# Altium PCB PCB.PcbDoc (part 2 of 3)
Units mil, origin at the board's own origin, x right, y up, seen from the top; angles counter-clockwise.
Board outline 3885.47 x 1391.81 mil, 4 copper layers (Top Layer, Mid Layer 1, Mid Layer 2, Bottom Layer), stack 39.339 mil thick; 184 components, 161 nets, 743 pads, 601 vias.
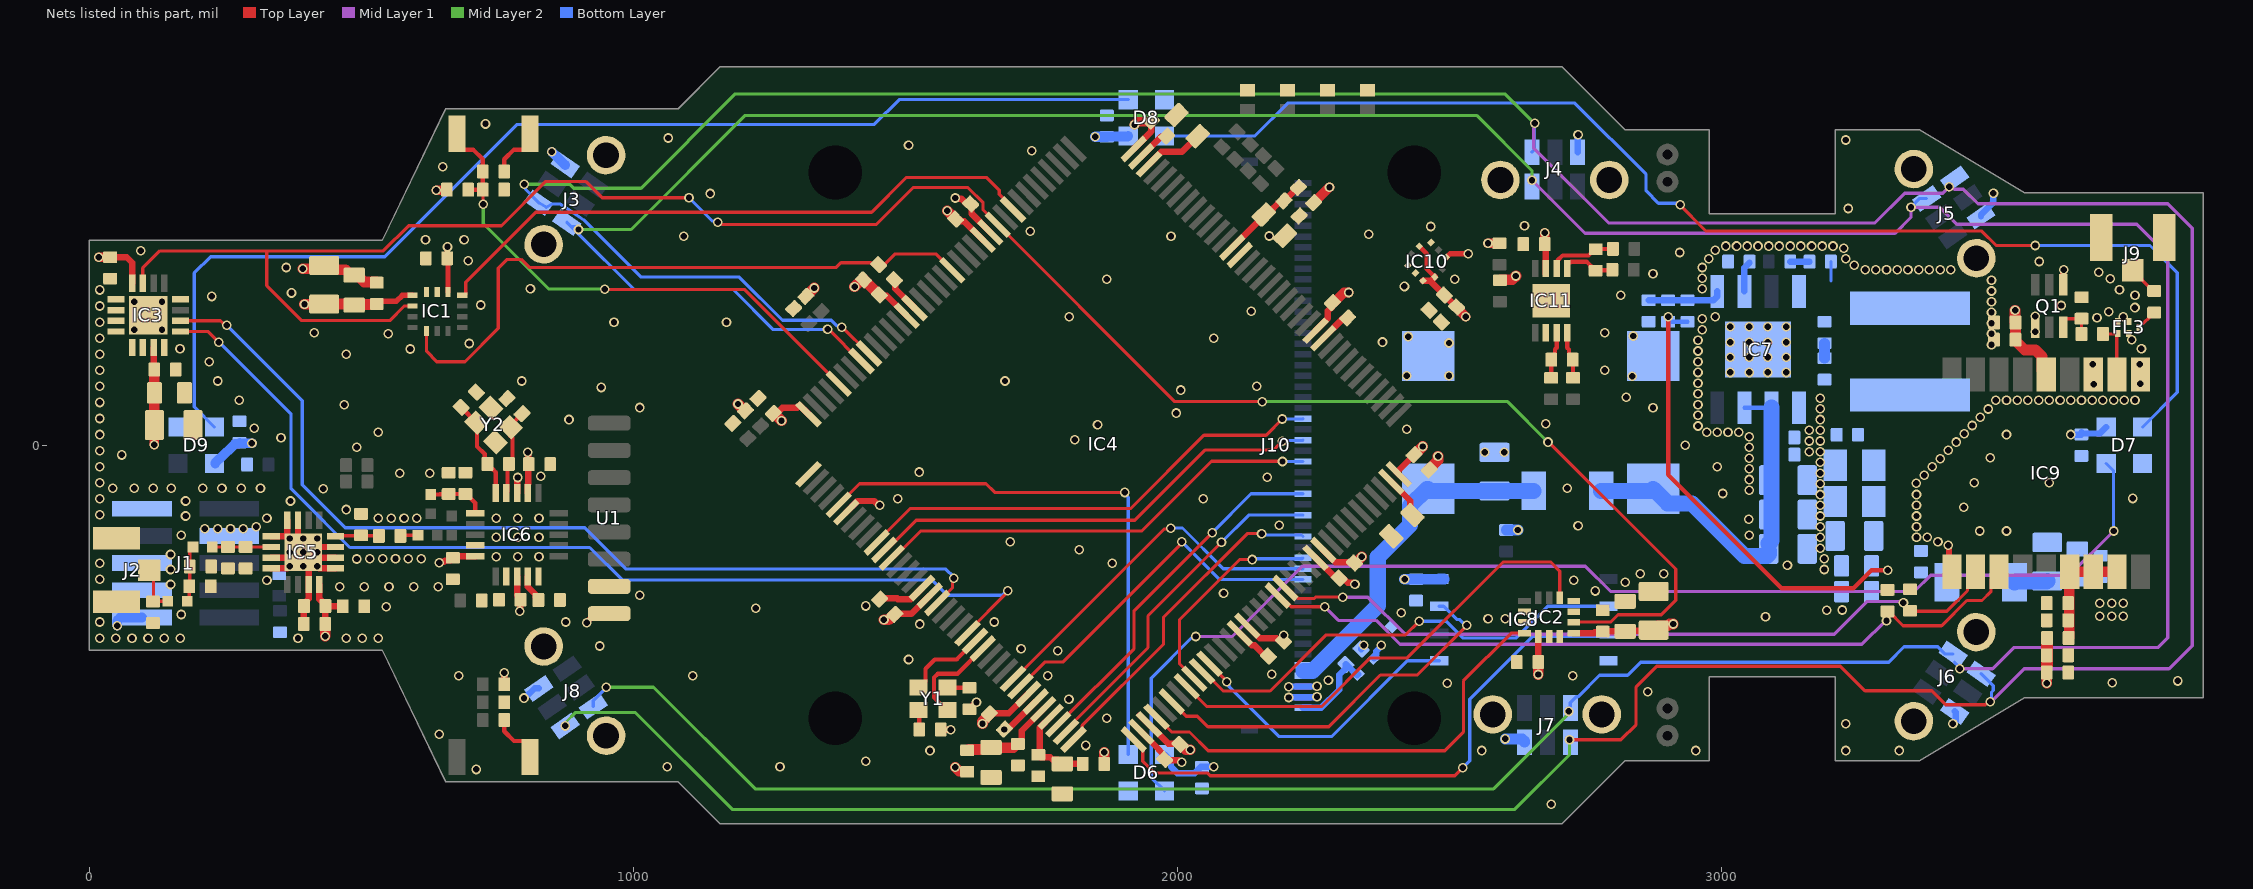
[diagram p4: the nets of this part, all layers, seen from the top]

## Via types
v1: diameter 17.72, hole 11.81, Top Layer to Bottom Layer, tented both sides, 601 vias

## Nets (pads, with @x,y where several pads share a name; then routed paths per layer and width w, separated by ;. In a path a pad name is that pad's centre, name@x,y a point inside that pad or via, vN(x,y) a via of type N, cw(c..) or ccw(c..) an arc to the next point about the centre after c; other vN are vias at no path point)
+3V3: C1.2 C2.2 C3.2 C5.2 C6.2 C7.2 C8.2 C9.2 C10.2 C11.2 C12.2 C13.2 C26.2 C27.2 C28.2 C29.2 C30.2 C31.2 C32.2 C33.2 C34.2 C35.2 C36.2 C38.2 C39.2 C40.2 C41.2 C42.2 C43.2 C71.2 C72.2 C73.2 C77.2 C82.2 C83.2 C86.2 C87.2 C88.2 C89.2 C90.2 C91.2 C92.2 C93.2 C96.2 D6.2 D7.2 D8.2 D9.2 FB1.1 FL2.2 IC1.5 IC1.8 IC2.5 IC2.8 IC3.8 IC3.15 IC4.6 IC4.17 IC4.30 IC4.39 IC4.52 IC4.62 IC4.72 IC4.84 IC4.108 IC4.121 IC4.131 IC4.144 IC5.16 IC6.7 IC6.15 IC6.18 IC8.8 IC9.14 IC10.1 IC10.6 IC10.10 IC11.3 J1.1 J3.1 J4.1 J5.1 J6.1 J7.1 J8.1 L8.2 Q1.4 R1.2 R2.2 R3.2 R6.2 R7.2 R8.1 R9.1 R18.2 R19.2 R20.2 R25.2 U1.1 | length 3873.7
  Top Layer w7.87: IC10.6@2444.38,365.8 2458.31,351.87 2458.31,324.03 IC10.1@2472.94,309.4
  Top Layer w10: C3.2@523.39,261.15 526.94,264.7 564.63,264.7 575.44,275.51 593.9,275.51 IC1.8@593.98,275.59 ; C5.2@658.18,343.61 658.36,343.79 658.36,364.31 v1(658.54,364.48) ; IC1.5@659.45,281.97 659.5,282.02 659.5,334.39 C5.2@659.56,334.44
  Top Layer w11.81: C13.2@38.59,345.58 69.1,345.58 79.03,335.65 IC3.8@79.03,297.67 ; C12.2@118.4,139.06 IC3.15@118.4,179.56 ; IC5.16@423.23,-255.91 423.23,-282.57 434.17,-293.51 434.03,-293.64 434.03,-328.11 C38.2@433.9,-328.24 ; v1(433.79,-350.68) v1@433.85,-350.62 ; C40.2@434.17,-295.48 434.02,-295.62 C39.2@466.02,-295.62 ; v1(643.62,-215.56) 644.75,-214.43 651.56,-214.43 654.19,-211.8 663.42,-211.8 C41.2@668.34,-206.88 ; C41.2@671.48,-203.74 IC6.15@709.65,-203.74 ; v1(762.67,-418) 762.79,-418.12 762.79,-439.06 R6.2@762.91,-439.18 ; IC6.18@786.42,-241.14 786.42,-275.56 C42.2@792.73,-281.87 ; v1(791.47,-304.89) 792.1,-304.26 792.1,-284.46 C42.2@792.73,-283.84 ; v1(805.8,-12.93) 806.85,-13.97 806.85,-33.71 C43.2@807.89,-34.76 807.08,-35.56 807.08,-71.15 806.1,-72.13 IC6.7@806.1,-87.6 ; v1(914.53,-326.37) 914.53,-325.03 930.12,-309.45 U1.1@955.71,-309.45 ; C36.2@1257.24,58.53 1263.36,58.53 1274.06,69.23 1301.1,69.23 1305.54,73.67 IC4.144@1321.89,57.31 ; IC4.6@1391.49,-122.97 1412.12,-102.34 1442.88,-102.34 1449.65,-109.11 1451.63,-109.11 v1(1452.76,-110.24) ; C35.2@1453.46,275.06 1466.05,275.06 IC4.131@1502.85,238.26 ; C26.2@1482.05,-309.35 1511.34,-309.35 IC4.17@1544.6,-276.09 ; C34.2@1592.26,415.55 1593.65,414.16 1600.61,414.16 1603.14,411.63 1607.87,411.63 IC4.121@1642.04,377.46 ; C27.2@1655.64,-492.32 1690.28,-492.32 IC4.30@1725.56,-457.04 ; IC4.108@1919.76,544.49 1952.07,576.8 1952.07,586.58 1951,587.65 1952.39,589.04 C33.2@1952.39,596 ; IC4.39@1930.93,-496.05 1983.05,-548.17 2003.03,-548.17 C28.2@2004.43,-549.56 ; IC4.52@2128.55,-331.76 2151.15,-354.36 2182.67,-354.36 2187.98,-359.67 C29.2@2194.94,-359.67 2194.17,-358.9 2194.17,-350.16 v1(2195.12,-349.21) ; IC4.84@2253.83,210.43 2276.58,233.18 2276.58,246.98 2284.81,255.21 C32.2@2284.81,262.17 ; IC4.62@2267.75,-192.57 2290.19,-215.01 2323.78,-215.01 C30.2@2325.17,-216.4 ; IC4.72@2406.94,-53.38 2402.94,-49.38 C31.2@2434.96,-17.36 ; IC10.10@2451.37,302.47 2466.01,302.47 ; IC10.1@2472.94,309.4 2466.44,302.89 2466.44,300.05 C89.2@2490.72,275.77 ; C89.2@2490.56,275.77 C89.2@2490.72,275.77 ; C89.2@2495.44,277.66 2493.55,275.77 C89.2@2490.72,275.77 ; C88.2@2515.03,251.47 C89.2@2490.72,275.77 ; C9.2@2663.35,-398.99 IC2.5@2663.35,-351.13 ; C96.2@2675.03,369.65 2677.17,367.51 IC11.3@2677.17,324.8 IC11.3@2677.17,315 ; IC2.8@2728.32,-345.23 2765.72,-345.23 2767.12,-343.83 2780.26,-343.83 C6.2@2781.94,-342.15 ; C6.2@2781.6,-342.49 C6.2@2781.94,-342.15 ; C8.2@2875.28,-339.7 2874.23,-340.75 2823.74,-340.75 2822.34,-342.15 C6.2@2781.94,-342.15 ; Q1.4@3627.95,295.28 3628.25,295.57 3628.25,322.6 v1(3628.54,322.89)
  Top Layer w17.72: v1(17.6,345.85) C13.2@38.32,345.85 ; v1(119.88,1.14) C10.2@119.88,36.69 ; v1(637.88,468.82) 637.94,468.88 R7.2@655.3,468.88 ; v1(1921.13,589.19) 1926.56,594.61 1950.47,594.61 C33.2@1952.13,596.27 ; R8.1@2250.59,445.93 2279.13,474.48 v1(2279.53,474.48) ; C32.2@2285.18,262.17 2287.59,262.17 2306.16,280.73 v1(2314.78,280.73) ; C88.2@2515.03,251.09 v1(2529.68,236.44) ; v1(2570.75,371.44) R19.2@2591.47,371.44 ; C96.2@2675.03,369.65 2675.29,369.91 v1(2675.29,390.64)
  Top Layer w19.68: C12.2@119.68,139.06 119.81,138.92 119.81,36.76 C10.2@119.88,36.69 ; v1(395.71,259.22) 411.57,259.22 C1.2@413.42,257.37 ; C1.2@431.95,259.57 487.06,259.57 C2.2@487.06,257.6 ; v1@433.85,-350.62 C38.2@433.9,-328.24 ; C2.2@488.05,258.58 527.58,258.58 C3.2@528.57,259.56 ; v1(1192.43,75.8) 1204.89,63.34 R3.2@1206.12,63.34 ; C36.2@1257.24,58.53 1257.5,58.79 1258.89,58.79 v1(1272.36,45.32) ; R2.2@1317.31,273.54 1317.31,273.7 v1(1332.6,289) ; v1(1406.66,291.36) 1420.54,305.25 1421.94,305.25 R1.2@1423.14,304.04 1423.81,304.04 1451.4,276.45 C35.2@1452.07,276.45 ; v1(1460.66,-320.9) 1469.12,-320.9 1478.26,-311.76 C26.2@1480.66,-311.76 ; v1(1576.82,430.8) 1592.07,415.55 C34.2@1592.26,415.55 ; v1(1591.87,-591.79) 1599.14,-599.06 1612.68,-599.06 R9.1@1613.67,-600.05 ; v1(1641.73,-511.81) 1641.73,-507.62 1654.25,-495.1 C27.2@1654.25,-493.71 ; FB1.1@1865.39,-585.52 1865.43,-585.48 v1(1865.43,-563.92) ; C28.2@2004.43,-549.56 2005.82,-549.56 2015.89,-559.63 v1(2023.76,-559.63) ; C30.2@2325.17,-216.4 2325.34,-216.57 2326.74,-216.57 v1(2338.58,-204.72) ; C31.2@2434.96,-17.36 2435.78,-17.36 v1(2450.89,-2.25) ; R20.2@2592.72,303.26 2593.71,304.24 2615.27,304.24 v1(2622.05,311.02) ; C9.2@2663.09,-398.43 2663.09,-401.3 2663.17,-401.38 v1(2663.17,-421.29) ; C8.2@2875.28,-339.7 2883.15,-331.82 2901.09,-331.82 2904.53,-328.39 v1(2911.33,-328.39) ; v1(3539.37,248.03) 3539.37,226.4 C86.2@3540.19,225.59 C87.2@3540.19,194.09 ; IC9.14@3596.61,129.92 3588.73,137.8 3588.73,163.28 3576.75,175.26 3557.05,175.26 C87.2@3540.19,192.12 ; C82.2@3597.68,-417.45 3597.78,-417.55 v1(3597.78,-437.55) ; L8.2@3598,-354.45 L8.2@3598.31,-354.13 ; C87.2@3540.19,192.12 C87.2@3540.19,194.09 ; C87.2@3540.19,192.12 C87.2@3540.19,194.09
  Top Layer w22.44: 3598,-404.53 L8.2@3598,-354.45
  Bottom Layer w11.81: v1(799.21,-464.57) 800.81,-464.57 818.64,-446.74 J8.1@826.63,-446.74 ; D6.2@1976.38,-568.3 1988.19,-580.11 1988.19,-590.88 1999.72,-602.41 2031.62,-602.41 2042.88,-591.15 C92.2@2044.84,-591.15 2045.14,-590.85 2066.63,-590.85 v1(2066.93,-590.55) ; R25.2@2337.52,-374.78 2337.52,-373.77 2342.52,-368.76 v1(2342.52,-367.75) ; J4.1@2735.6,538.75 2735.91,539.06 2735.91,570.56 v1(2736.22,570.87) ; v1(3425.2,-511.81) 3430.02,-506.98 3430.02,-490.34 J6.1@3428.65,-488.97 ; J5.1@3476.79,420.75 3476.79,423.75 3499.64,446.6 v1(3499.64,463.14) ; v1(3641.73,19.68) 3661.11,19.68 C91.2@3661.22,19.8 ; C91.2@3661.42,23.62 3663.39,21.65 3694.88,21.65 D7.2@3706.69,33.46
  Bottom Layer w17.72: v1(51.52,-331.42) 51.52,-322.24 57.23,-316.54 J1.1@97.05,-316.54 ; D9.2@231.5,-33.46 231.5,-32.28 239.17,-24.61 240.35,-24.61 267.72,2.76 274.5,2.76 C90.2@276.47,4.73 277.26,3.94 v1(299.21,3.94) ; v1(850.39,539.37) 874.77,514.99 J3.1@874.77,514.89 ; C93.2@1870.28,566.82 1871.02,567.56 1908.7,567.56 D8.2@1909.45,568.31
  Bottom Layer w19.68: v1(1849.29,567.08) C93.2@1870.02,567.08 ; v1(2417.37,-246.09) C77.2@2438.73,-246.09 2438.84,-245.98 2481.19,-245.98 IC8.8@2481.3,-245.87 2489.96,-245.87 IC8.8@2490.16,-246.06 ; v1(2602.25,-539.71) 2633.72,-539.71 2637.66,-543.65 J7.1@2637.66,-545.79 ; R18.2@2604.15,-155.66 v1(2625.8,-155.65)
  Bottom Layer w29.53: FL2.2@3538.39,-251.97 3539.73,-250.63 3597.17,-250.63 C71.2@3598.51,-249.28
  other v1: 3695.29,-313.98 3716.74,-313.98 3738.19,-313.98 3695.29,-290.35 3716.74,-290.35 3738.19,-290.35
BUTTON: C16.2 D5.1 IC4.140 R7.1 S2.2 | length 997.5
  Top Layer w5.91: C16.2@723.31,469.69 723.86,469.14 723.86,443.46 v1(724.41,442.91) ; v1(947.83,286.42) 1204.14,286.42 IC4.140@1377.57,112.99
  Top Layer w7.87: S2.2@676.18,572.83 676.18,555.12 687.99,543.31 705.71,543.31 723.52,525.5 D5.1@723.52,502.95 723.42,502.85 723.42,469.79 C16.2@723.31,469.69 R7.1@696.76,469.69
  Mid Layer 2 w5.91: v1(724.41,442.91) 724.41,407.62 845.08,286.95 947.3,286.95 v1(947.83,286.42)
GND: C1.1 C2.1 C3.1 C5.1 C6.1 C7.1 C8.1 C9.1 C10.1 C11.1 C12.1 C13.1 C14.1 C15.1 C16.1 C17.1 C18.1 C19.1 C20.1 C21.1 C22.1 C23.1 C24.1 C25.1 C26.1 C27.1 C28.1 C29.1 C30.1 C31.1 C32.1 C33.1 C34.1 C35.1 C36.1 C37.1 C38.1 C39.1 C40.1 C41.1 C42.1 C43.1 C45.1 C46.1 C47.1 C48.1 C49.1 C50.1 C51.1 C52.1 C53.1 C54.1 C56.2 C57.2 C58.2 C59.2 C60.1 C61.1 C62.1 C63.1 C64.1 C65.1 C66.1 C67.1 C68.1 C69.1 C70.1 C71.1 C72.1 C73.1 C74.2 C75.1 C77.1 C79.1 C80.1 C81.1 C82.1 C83.1 C84.1 C85.1 C86.1 C87.1 C88.1 C89.1 C90.1 C91.1 C92.1 C93.1 C96.1 D1.2 D2.2 D3.2 D4.2 D5.2 D6.4 D7.4 D8.4 D9.4 D10.2 D11.2 FL3.2 FL3.3 FL3.5 IC1.6 IC1.7 IC2.2 IC2.3 IC2.6 IC2.7 IC2.10 IC2.11 IC3.4 IC3.9 IC3.10 IC3.11 IC3.12 IC3.13 IC3.14 IC3.16 IC3.17 IC4.16 IC4.31 IC4.38 IC4.51 IC4.61 IC4.83 IC4.94 IC4.107 IC4.120 IC4.130 IC5.1 IC5.2 IC5.3 IC5.7 IC5.8 IC5.9 IC5.11 IC5.12 IC5.15 IC5.17 IC6.8 IC6.14 IC6.17 IC6.20 IC7.1 IC7.9 IC8.4 IC9.1 IC9.10 IC9.12 IC10.3 IC10.5 IC10.8 IC10.9 IC11.6 IC11.9 J1.3 J1.5 J1.8 J1.9 J2.2 J2.3 J3.7 J4.7 J5.7 J6.7 J7.7 J8.7 J9.2 J9.3 J10.48 J10.49 LED1.2 LED2.2 LED3.2 LED4.2 Q1.1 R4.1 R5.1 R10.1 R17.1 S1.1 S2.1 U1.2 Y2.2 Y2.4 | length 1921.8
  Top Layer w7.87: D4.2@762.91,-502.95 762.91,-525.5 780.72,-543.31 798.43,-543.31 810.24,-555.12 S1.1@810.24,-572.83 ; D5.2@762.91,502.95 762.91,525.5 780.72,543.31 798.43,543.31 810.24,555.12 S2.1@810.24,572.83
  Top Layer w9.84: IC10.3@2493.79,344.89 2500.88,351.98 v1(2534.36,351.98)
  Top Layer w11.81: IC5.12@334.65,-226.38 IC5.17@364.17,-226.38 ; IC5.11@334.65,-206.69 IC5.17@383.86,-206.69 ; IC5.9@334.65,-167.32 364.17,-167.32 IC5.8@364.17,-137.8 ; IC5.17@383.86,-187.01 IC5.7@383.86,-137.8 ; C40.1@394.29,-293.25 394.78,-293.74 C40.1@394.78,-295.47 ; C38.1@394.52,-328.24 394.65,-328.11 394.65,-293.64 399.7,-288.58 399.7,-285.51 403.54,-281.66 IC5.15@403.54,-255.91 IC5.17@403.54,-206.69 ; IC5.17@395.44,-195.11 IC5.17@403.54,-187.01 ; IC5.17@404.64,-205.6 406.4,-205.6 IC5.17@418.94,-218.13 ; IC5.17@406,-204.23 398.62,-196.85 IC5.17@393.7,-196.85 ; IC5.17@408.46,-187.01 IC5.17@403.54,-187.01 ; IC5.17@408.61,-192.77 IC5.17@418.94,-192.77 ; IC5.17@418.94,-187.01 IC5.3@452.76,-187.01 ; IC5.17@419.42,-217.65 419.42,-222.57 423.23,-226.38 IC5.1@452.76,-226.38 ; IC5.2@452.76,-206.69 IC5.17@403.54,-206.69 ; IC6.8@786.42,-87.6 786.42,-60.13 v1(787.4,-59.15) ; C26.1@1452.81,-282.89 1454.21,-281.5 1484.79,-281.5 1486.08,-282.8 1510.06,-282.8 IC4.16@1530.69,-262.17 ; C35.1@1479.92,304.3 1481.31,302.9 1481.31,287.64 IC4.130@1516.77,252.18 ; C15.1@1564.98,-522.45 1565.05,-522.52 v1(1583.21,-522.59) v1(1583.21,-522.59) ; v1(1591.81,454.44) 1592.94,453.31 1603.24,453.31 1613.16,443.4 C34.1@1620.12,443.4 1621.51,442.01 1621.51,425.83 IC4.120@1655.96,391.38 ; C17.1@1617.73,-485.1 C17.1@1617.82,-485.1 1630.61,-472.3 v1(1630.71,-472.3) ; v1(1681.99,-522.35) 1682.1,-522.35 C27.1@1682.1,-521.56 1688.87,-521.56 IC4.31@1739.48,-470.96 ; IC4.38@1933.68,-526.64 1966.74,-559.69 1966.74,-560.61 1976.57,-570.44 C28.1@1976.57,-577.4 1977.96,-578.8 2002.35,-578.8 2006.28,-582.72 v1(2007.87,-582.72) ; IC4.107@1933.68,530.57 1969.87,566.76 1978.85,566.76 C33.1@1980.24,568.15 ; IC4.51@2114.63,-345.68 2136.69,-367.74 2141.76,-367.74 2161.54,-387.52 C29.1@2167.09,-387.52 ; IC4.61@2253.83,-206.49 2291.59,-244.25 C30.1@2297.32,-244.25 ; IC4.83@2267.75,196.51 2304.17,232.93 2311.27,232.93 C32.1@2312.66,234.32 ; C30.1@2300,-245.64 2305.67,-245.64 2312.76,-252.73 2322.22,-252.73 2324.62,-255.12 v1(2326.22,-255.12) ; v1(3416.72,-183.47) 3416.72,-185.07 3417.99,-186.35 3417.99,-226.9 IC9.1@3423.38,-232.28 ; IC5.17@393.7,-196.85 IC5.17@403.54,-206.69 ; IC5.17@393.7,-196.85 IC5.17@403.54,-187.01
  Top Layer w19.68: v1@392.79,324.62 426.13,324.62 C1.1@431.95,330.43 439.82,322.56 471.32,322.56 478.21,315.67 490.02,315.67 505.75,299.94 527.59,299.94 C3.1@528.57,298.95 ; C31.1@2462.81,-45.21 2462.81,-43.82 2478.97,-27.66 v1(2478.97,-19.95)
  Bottom Layer w11.81: v1(2204.72,-463.58) 2205.36,-462.94 J10.49@2230.6,-462.94 2255.83,-462.94 v1(2256.47,-462.31) ; v1(2204.72,-443.9) 2205.36,-443.26 J10.48@2230.6,-443.26 2255.83,-443.26 v1(2256.47,-442.62) ; D11.2@2361.26,-391.42 2361.26,-388.08 2365.17,-384.18 2365.17,-378.81 2374.63,-369.35 v1(2374.63,-367.75)
  other v1: 2687.01,-659.45 711.63,-595.75 1062.47,-590.71 1269.68,-590.55 1427.17,-580.71 1545.28,-561.02 2559.06,-561.02 2952.76,-561.02 3228.35,-561.02 3326.77,-561.02 1831.67,-551.62 643.12,-531.36 3228.35,-511.81 1870.08,-501.97 1800.61,-466.82 2864.17,-452.76 2496.06,-437.01 3717.71,-436.25 3838.58,-433.07 2277.56,-432.09 1109.19,-423.56 679.13,-423.23 1761.81,-423.23 2726.38,-423.23 2173.03,-420.95 1505.91,-393.7 1779.99,-377.62 1712.6,-374.02 938.55,-368.94 19.68,-354.33 49.21,-354.33 78.74,-354.33 108.27,-354.33 137.8,-354.33 167.32,-354.33 383.86,-354.33 472.44,-354.33 501.97,-354.33 531.5,-354.33 1526.54,-328.52 19.68,-324.8 875.98,-324.8 1663.39,-324.8 2570.87,-318.9 2602.36,-318.9 3080.71,-314.96 169.29,-311.02 2411.34,-307.84 3193.18,-303.41 3221.76,-302.68 1224.89,-299.42 546.18,-296.9 1427.17,-295.28 1011.81,-275.59 2084.79,-272.26 2767.72,-267.72 460.63,-259.84 505.86,-259.84 551.08,-259.84 596.31,-259.84 641.54,-259.84 149.61,-255.91 2822.83,-251.97 326.77,-248.03 2728.35,-248.03 19.68,-246.06 2850.39,-236.22 2893.7,-236.22 149.61,-228.35 3188.98,-228.35 368.33,-222.11 393.63,-222.11 418.94,-222.11 3121.06,-220.47 19.68,-216.54 1879.92,-216.54 492.08,-209.01 515.75,-208.66 539.37,-208.66 562.99,-208.66 586.61,-208.66 610.24,-208.66 3188.98,-208.66 748.03,-204.72 787.4,-204.72 826.77,-204.72 149.61,-200.79 368.33,-196.74 393.63,-196.74 418.94,-196.74 1819.65,-192.13 3181.1,-188.98 1692.91,-177.17 3397.64,-177.17 368.33,-171.37 393.63,-171.37 418.94,-171.37 748.03,-169.29 787.4,-169.29 826.77,-169.29 3181.1,-169.29 3358.27,-169.29 3377.95,-169.29 169.29,-165.35 3051.18,-165.35 3474.41,-157.48 3523.62,-157.48 212.6,-153.54 236.22,-153.54 259.84,-153.54 283.46,-153.54 307.09,-149.61 3181.1,-149.61 3358.27,-149.61 2736.22,-147.64 2187.44,-146.86 3050.2,-135.83 326.77,-133.86 531.5,-133.86 555.12,-133.86 578.74,-133.86 602.36,-133.86 748.03,-133.86 787.4,-133.86 826.77,-133.86 177.17,-129.92 3181.1,-129.92 3358.27,-129.92 19.68,-127.95 472.44,-118.11 3444.88,-114.17 3181.1,-110.24 3358.27,-110.24 177.17,-102.36 370.08,-102.36 19.68,-98.43 1486.22,-98.43 2047.24,-98.43 3755.82,-97.71 3181.1,-90.55 3358.27,-90.55 3001.97,-88.58 3051.18,-82.68 430.2,-79.71 43.31,-78.74 82.68,-78.74 118.11,-78.74 150.59,-79.18 208.66,-78.74 244.09,-78.74 279.53,-78.74 314.96,-78.74 2716.54,-78.74 3181.1,-70.87 3357.89,-70.01 19.68,-68.9 3464.57,-68.9 3602.36,-68.9 3051.18,-62.99 2165.35,-59.06 830.08,-57.09 3372.55,-54.82 570.87,-51.18 625.98,-51.18 3181.1,-51.18 1525.59,-49.21 3051.18,-43.31 19.68,-39.37 2992.13,-39.37 3387.21,-39.63 3181.1,-31.5 3401.87,-24.44 3051.18,-23.62 3493.99,-22.99 60.22,-17.76 2564.96,-12.8 2600.39,-12.8 3161.42,-11.81 3181.1,-11.81 19.68,-9.84 3416.53,-9.25 492.13,-3.94 3051.18,-3.94 2933.07,0 3431.19,5.94 3161.42,7.87 3181.1,7.87 1811.02,9.84 352.63,13.64 3051.18,15.75 19.68,19.68 3523.62,19.68 3445.86,21.13 531.5,23.62 2972.44,23.62 2992.13,23.62 3011.81,23.62 3031.5,23.62 3161.42,27.56 3181.1,27.56 2421.26,29.53 303.15,31.5 2956.69,35.43 3460.52,36.32 1853.21,37.56 2677.17,39.37 881.89,47.24 3181.1,47.24 19.68,49.21 3475.18,51.51 2956.69,55.12 1998.09,59.25 3489.84,66.7 3181.1,66.93 1011.81,69.3 2874.02,68.9 468.5,74.8 2956.69,74.8 19.68,78.74 275.59,82.68 3503.94,82.68 3523.62,82.68 3543.31,82.68 3562.99,82.68 3582.68,82.68 3602.36,82.68 3622.05,82.68 3641.73,82.68 3661.42,82.68 3681.1,82.68 3700.79,82.68 3720.47,82.68 3740.16,82.68 3759.84,82.68 3181.1,86.61 2824.8,88.58 2956.69,94.49 2006.01,101.51 940.94,106.3 19.68,108.27 2145.67,108.27 3684.06,112.2 3769.69,113.19 2956.69,114.17 236.22,118.11 795.28,118.11 1683.07,118.11 2835.63,126.97 2421.26,127.95 2499.02,127.95 2956.69,133.86 3015.75,133.86 3051.18,133.86 3085.14,133.86 3119.09,133.86 19.68,137.8 2785.43,137.8 3682.09,148.62 3768.7,148.62 220.47,153.54 2956.69,153.54 3015.75,161.75 3051.18,161.75 3085.14,161.75 3119.09,161.75 19.68,167.32 472.44,167.32 2956.69,173.23 166.98,177.19 589.85,176.95 3771.65,177.17 3496.06,185.04 698.82,187.01 2499.14,188 2376.83,189.73 3015.75,189.63 3051.18,189.63 3085.14,189.63 3119.09,189.63 2956.69,192.91 3754.04,194.14 19.68,196.85 2066.93,196.85 2424.21,199.8 2837.6,200.79 3496.06,204.72 549.4,205.26 413.39,206.69 2785.43,206.69 3576.45,208.9 82.68,212.6 133.86,212.6 2964.57,212.6 3015.75,217.52 3051.18,217.52 3085.14,217.52 3119.09,217.52 3496.06,224.41 19.68,226.38 964.57,226.38 1171.26,226.38 2964.57,232.28 3689.96,234.25 1801.18,236.22 2988.19,236.22 3738.26,236.5 3576.22,237.1 3496.06,244.09 3711.61,245.08 2135.83,246.06 3759.67,253.09 19.68,255.91 719.68,257.74 3624.43,256.86 82.68,263.78 133.86,263.78 3496.06,263.78 225.08,273.54 2814.96,275.59 3759.84,275.59 371.88,279.92 3496.06,283.46 19.68,285.43 3731.25,286.15 811.02,287.4 2964.57,287.4 2417.21,291.87 3496.06,303.15 1870.08,305.12 2509.84,305.12 3714.38,306 2964.57,307.09 2874.02,314.96 3692.94,317.71 3263.78,322.83 3283.46,322.83 3303.15,322.83 3322.83,322.83 3342.52,322.83 3362.2,322.83 3381.89,322.83 3401.57,322.83 3421.26,322.83 392.62,324.45 362.2,326.77 2964.57,326.77 3244.09,330.71 3583.54,337.74 696.79,339.1 2976.38,342.52 3228.35,342.52 2923.23,354.33 94.62,357.75 2988.19,358.27 3224.41,362.2 3007.87,366.14 3027.56,366.14 3047.24,366.14 3066.93,366.14 3086.61,366.14 3106.3,366.14 3125.98,366.14 3145.67,366.14 3165.35,366.14 3185.04,366.14 3204.72,366.14 618.11,377.95 688.98,377.95 1092.52,383.86 1988.19,383.86 2168.6,384.65 2351.75,387.5 1729.74,393.65 2465.62,402.1 2637.8,403.54 3233.08,435.09 1141.73,462.6 649.61,511.81 1732.28,541.34 1505.91,551.18 3228.35,561.02 1064.47,564.65 728.35,590.55
I2C1_SCL: IC4.136 J3.3 J4.3 J5.3 J6.3 J7.3 J8.3 | length 8298.7
  Top Layer w5.91: v1(1383.4,217.2) 1384.06,217.2 1432.59,168.67 IC4.136@1433.25,168.67 ; v1(2720.47,-541.34) 2814.75,-541.34 2842.86,-513.23 2842.86,-444.11 2880.96,-406 3218.48,-406 3263.47,-451 3386.19,-451 3412.11,-476.92 3484.99,-476.92 3490.54,-471.37 v1(3493.74,-471.37)
  Mid Layer 1 w5.91: v1(2656.45,591.83) 2654.79,590.17 2654.79,546 2792.32,408.46 3281.59,408.46 3336.41,463.29 3406.5,463.29 3420.89,477.68 3420.89,476.35 3426.18,471.05 3427.64,471.05 3427.99,470.71 3444.33,470.71 3471.3,443.74 3820.04,443.74 3864.97,398.81 3864.97,-368.3 3822.49,-410.78 3556.16,-410.78 3495.57,-471.37 v1(3493.74,-471.37)
  Mid Layer 2 w5.91: v1(799.69,479.87) 883.19,479.87 890.63,472.44 1014.34,472.44 1187.57,645.67 2601.68,645.67 2655.52,591.83 v1(2656.45,591.83) ; v1(875,-515.82) 877.26,-513.56 877.26,-507.58 893.49,-491.35 1004.15,-491.35 1182.07,-669.27 2620.1,-669.27 2720.47,-568.9 v1(2720.47,-541.34)
  Bottom Layer w5.91: v1(799.69,479.87) 801.95,477.61 801.95,470.26 J3.3@826.4,445.81 840.23,437.42 849.54,442.82 861.22,443.58 865.49,443.58 880.87,433.09 ; 880.91,433.07 909.79,413.66 ccw(c913.63,419.38) 909.99,413.53 1014.46,309.06 1194.88,309.06 1274.21,229.73 1363.97,229.73 1373.33,220.38 1374.24,219.46 1381.14,219.46 v1(1383.4,217.2) ; J4.3@2651.27,538.75 2656.45,543.93 v1(2656.45,591.83) ; J6.3@3477.02,-419.89 3499.22,-442.09 3499.22,-450.7 3496,-453.92 3496,-469.11 v1(3493.74,-471.37)
  other v1: 3418.63,475.42
I2C1_SDA: IC4.137 J3.4 J4.4 J5.4 J6.4 J7.4 J8.4 | length 7712
  Top Layer w5.91: v1(1357.04,213) 1359.06,213 1417.31,154.75 IC4.137@1419.33,154.75
  Mid Layer 1 w5.91: v1(2651.57,487.2) 2749.02,389.76 3318.9,389.76 3348.15,419.02 v1(3348.15,437.62) 3400.96,437.62 3432.45,406.14 3763.15,406.14 3819.88,349.41 3819.88,-353.88 3801.96,-371.79 3536.86,-371.79 3498.11,-410.55 v1(3437.95,-410.55)
  Mid Layer 2 w5.91: v1(899.38,396.5) 995.94,396.5 1205.74,606.3 2549.7,606.3 2651.57,504.42 v1(2651.57,487.2) ; v1(950.42,-444.58) 1037.19,-444.58 1224.2,-631.59 2581.1,-631.59 2714.75,-497.94 2714.75,-496.84 2719.22,-492.37 v1(2719.22,-489.17)
  Bottom Layer w5.91: J3.4@878,409.68 J3.4@885.74,401.94 ; v1(899.38,396.5) 893.95,401.94 J3.4@885.74,401.94 ; J8.4@926.6,-479.68 926.6,-469.44 950.42,-445.61 v1(950.42,-444.58) ; v1(1357.04,213) 1356.56,212.51 1257.18,212.51 1183.32,286.38 1001.3,286.38 895.28,392.4 J3.4@885.74,401.94 ; J7.4@2721.99,-482.8 2721.99,-472.96 2732.82,-462.13 2736.25,-462.13 2775.62,-422.76 2827.24,-422.76 2851.38,-398.62 3307.09,-398.62 3335.27,-370.44 3397.66,-370.44 3410.99,-383.76 J6.4@3425.42,-383.76 ; v1(3348.15,437.62) 3364.23,453.7 J5.4@3376.82,453.7 ; J6.4@3427.96,-398.38 3437.95,-408.38 v1(3437.95,-410.55)
NetC15_2: C15.2 Y1.4 | length 39.1
  Top Layer w7.87: Y1.4@1524.12,-486.21 1528.29,-490.38 1525.59,-493.08 C15.2@1525.59,-522.46
NetC17_2: C17.2 Y1.2 | length 40.9
  Top Layer w7.87: Y1.2@1577.27,-444.87 1578.1,-445.71 C17.2@1617.82,-445.71
NetC18_2: C18.2 C19.2 FB1.2 IC4.33 | length 174.2
  Top Layer w11.81: IC4.33@1767.32,-498.8 1746.69,-519.43 1746.69,-566.4 C19.2@1744.3,-568.79 1749.11,-573.6 1766.46,-573.6 1770.62,-577.76 1780.51,-577.76 C18.2@1788.39,-585.63 ; C18.2@1782.48,-585.63 1782.54,-585.57 FB1.2@1826,-585.51 FB1.2@1826,-585.51
NetC20_2: C20.2 C21.2 IC4.95 R8.2 | length 174.8
  Top Layer w11.81: IC4.95@2100.71,363.54 2158.66,421.49 C20.2@2158.66,424.01 ; R8.2@2222.37,473.79 2221.38,473.79 2196.78,449.18 2189.81,449.18 C20.2@2164.64,424.01 ; C20.2@2158.66,424.01 C20.2@2164.64,424.01 ; C20.2@2158.66,424.01 C20.2@2164.64,424.01
NetC22_2: C22.2 C23.2 IC4.32 R9.2 | length 182.9
  Top Layer w11.81: C23.2@1706.78,-548.92 1708.75,-548.92 1713.67,-544 1713.67,-524.6 IC4.32@1753.4,-484.88
  Top Layer w19.68: R9.2@1613.67,-560.66 1615.64,-560.66 1617.25,-559.06 1653.54,-559.06 C22.2@1657.48,-555.12 1658.02,-555.66 1698.08,-555.66 1703.83,-549.91 1705.8,-549.91 C23.2@1706.78,-548.92
NetC24_2: C24.2 IC4.71 | length 77
  Top Layer w11.81: IC4.71@2393.02,-67.29 2427.71,-101.99 2427.71,-123.97 C24.2@2431.89,-128.15
NetC25_2: C25.2 IC4.106 | length 110.9
  Top Layer w11.81: IC4.106@1947.6,516.65 1970.27,539.32 2008.41,539.32 C25.2@2037.2,568.11
NetC37_2: C37.2 IC6.19 | length 44.3
  Top Layer w11.81: IC6.19@806.1,-241.14 806.1,-260.13 820.76,-274.79 C37.2@820.76,-279.33
NetC44_1: C44.1 C45.2 IC5.4 | length 79
  Top Layer w6.16: IC5.4@453.54,-166.54 C44.1@532.57,-166.54
NetC44_2: C44.2 L3.2 | length 31.2
  Top Layer w6.16: C44.2@573.15,-165.35 L3.2@604.33,-165.35
NetC46_2: C46.2 C47.2 IC5.10 L1.1 | length 108.3
  Top Layer w6.16: L1.1@226.38,-187.01 IC5.10@334.65,-187.01
NetC48_2: C48.2 C49.2 L1.2 L2.1 | length 103.9
  Top Layer w6.16: L2.1@180.12,-286.42 183.94,-282.6 C49.2@183.94,-259.06 184.92,-258.07 C48.2@184.92,-222.64 184.92,-193.03 L1.2@190.94,-187.01
NetC50_2: C50.2 J2.1 L2.2 | length 75.6
  Top Layer w6.16: J2.1@118.2,-237.3 118.2,-286.42 L2.2@144.68,-286.42
NetC51_2: C51.2 C52.2 IC6.11 L5.2 | length 107.8
  Top Layer w7.87: L5.2@627.95,-90.55 643.7,-90.55 644.18,-90.07 660.39,-90.07 C52.2@660.79,-89.68 C51.2@691.3,-89.68 693.27,-89.68 709.65,-106.06 IC6.11@709.65,-125
NetC53_2: C53.2 IC6.9 R13.1 Y2.1 | length 141.4
  Top Layer w7.87: IC6.9@766.73,-87.6 768.7,-85.63 768.7,-37.09 777.86,-27.93 777.86,13.46 Y2.1@774.13,17.19 ; Y2.1@774.13,36.49 C53.2@795.67,58.03
NetC54_2: C54.2 IC6.10 R13.2 Y2.3 | length 182.4
  Top Layer w7.87: C54.2@683.69,69.81 Y2.3@711.55,41.95 ; Y2.3@712.94,40.16 712.94,-2.19 726.92,-16.17 726.92,-31.16 738.96,-43.19 740.92,-43.19 747.05,-49.32 IC6.10@747.05,-87.6
NetC55_1: C55.1 R14.2 | length 35.4
  Bottom Layer w11.81: R14.2@3126.18,337.53 C55.1@3161.6,337.53
NetC55_2: C55.2 IC7.8 L6.1 R15.1 | length 35.6
  Bottom Layer w5.91: 3200.98,301.97 C55.2@3200.98,337.53
NetC56_1: C56.1 C60.2 D10.1 FL1.1 J10.46 J10.47 | length 636.2
  Bottom Layer w29.53: 2231.58,-414.72 2248.38,-414.72 2368.2,-294.9 2368.2,-205.61 2427.25,-146.55 2427.25,-111.49 2458.75,-79.99 C56.1@2460.72,-79.99 2464.65,-83.93 C60.2@2582.76,-83.93 FL1.1@2654.61,-83.93
NetC57_1: C57.1 C61.2 C62.2 C63.2 C64.2 C65.2 FL1.2 IC7.2 IC7.3 | length 669.8
  Bottom Layer w7.87: IC7.3@3042.02,69.14 IC7.2@3092.02,69.14
  Bottom Layer w29.53: FL1.2@2778.63,-83.93 2870.17,-83.93 C57.1@2874.1,-79.99 2900.9,-106.79 2945.37,-106.79 3041.99,-203.41 3083.36,-203.41 3086.7,-200.07 C61.2@3086.7,-194.16 ; C61.2@3086.7,-180.39 3092.02,-175.07 3092.02,-127.24 3092.02,-64.24 3092.02,-17.2 3092.02,14.29 IC7.2@3092.02,69.14
NetC58_1: C58.1 C59.1 C66.2 C67.2 C68.2 C69.2 C70.2 C76.2 FL2.1 L6.2 R16.2 | length 838.2
  Top Layer w7.87: v1(2901.86,235.93) 2901.86,-54.42 3110.24,-262.8 3242.43,-262.8 3275.51,-229.72 v1(3305.31,-229.72)
  Bottom Layer w7.87: v1(2901.86,235.93) C76.2@2901.86,226.99 R16.2@2937.3,226.99
NetC74_1: C74.1 R15.2 | length 27.5
  Bottom Layer w19.68: C74.1@3189.26,160.07 R15.2@3189.27,187.61
NetC75_2: C75.2 IC7.6 | length 56.8
  Bottom Layer w11.81: IC7.6@3042.02,282.69 3042.02,326.2 C75.2@3051.38,335.56
NetC76_1: C76.1 IC7.5 R16.1 R17.2 | length 138.1
  Bottom Layer w11.81: R17.2@2866.03,266.58 2985.13,266.58 2992.02,273.47 IC7.5@2992.02,282.69
NetC78_1: C78.1 J9.1 | length 32.4
  Top Layer w6.16: J9.1@3772.52,305.24 3772.52,303.96 3793.11,283.37 C78.1@3795.08,283.37
NetC78_2: C78.2 FL3.1 | length 38.9
  Top Layer w6.16: FL3.1@3767.72,216.54 FL3.1@3767.72,216.54 C78.2@3795.07,243.98
NetC79_2: C79.2 L7.1 Q1.3 | length 75.4
  Top Layer w6.16: Q1.3@3627.95,216.54 3627.95,227.94 3632.76,232.74 C79.2@3661.69,232.74 3661.51,232.56 L7.1@3661.51,204.53
NetC80_2: C80.2 C81.2 IC9.6 IC9.7 IC9.8 L8.1 | length 209.4
  Top Layer w19.68: L8.1@3637.7,-354.13 3638.69,-353.15 3638.69,-233.51 IC9.6@3639.91,-232.28 IC9.7@3683.22,-232.28 IC9.8@3726.53,-232.28
NetC84_2: C84.2 IC4.57 IC9.2 | length 1379.6
  Top Layer w5.91: IC4.57@2198.15,-262.17 2202.33,-262.17 2221.88,-281.72 2251.02,-281.72 2253.78,-278.97 v1@2303.43,-278.97 ; v1(3334.23,-289.29) 3334.23,-292.49 3336.61,-294.87 3336.61,-296.28 3344.48,-304.15 C84.2@3346.45,-304.15 ; C84.2@3349.39,-305.12 3413.93,-305.12 3451.92,-267.13 3451.92,-247.05 IC9.2@3466.68,-232.28
  Mid Layer 1 w5.91: v1(2303.7,-279.24) 2350.1,-279.24 2418.31,-347.44 3207.19,-347.44 3267.69,-286.94 3326.46,-286.94 3326.55,-287.03 3331.97,-287.03 v1(3334.23,-289.29)
NetC85_2: C85.2 IC4.56 IC9.3 | length 1443.9
  Top Layer w5.91: IC4.56@2184.23,-276.09 2188.41,-276.09 2209.21,-296.89 v1(2270.95,-296.89) ; C85.2@3304.92,-305.23 3306.88,-305.23 3333.35,-331.69 3404.41,-331.69 3450.87,-285.24 3478.54,-285.24 3495.23,-268.55 3495.23,-247.05 IC9.3@3509.99,-232.28
  Mid Layer 1 w5.91: v1(2270.95,-296.89) 2295.91,-321.85 2365.16,-321.85 2409.02,-365.72 3257.97,-365.72 3301.51,-322.17 v1(3303.12,-322.17)
NetC94_1: C94.1 IC11.2 R28.1 | length 126.1
  Top Layer w7.87: IC11.2@2696.85,324.8 2698.82,326.77 2698.82,339.88 2707.87,348.92 2755.23,348.92 2755.41,348.92 2766.74,360.25 C94.1@2768.71,360.25 2769.09,360.64 2799.91,360.64 R28.1@2800.29,361.02
NetC94_2: C94.2 IC11.1 R26.1 | length 102.3
  Top Layer w7.87: IC11.1@2716.54,324.8 2716.54,334.65 2718.5,336.61 2722.62,336.61 2723.12,337.11 2752.45,337.11 2759.84,329.72 2759.84,327.76 2766.73,320.87 C94.2@2768.7,320.87 2769.59,321.75 2798.42,321.75 R26.1@2799.31,322.64
NetC95_1: C95.1 IC11.7 R29.1 | length 86.9
  Top Layer w7.87: R29.1@2686.81,123.92 2686.96,124.07 2686.96,157.14 C95.1@2687.1,157.28 2693.99,164.17 2693.99,176.27 2696.85,179.13 IC11.7@2696.85,206.69
NetC95_2: C95.2 IC11.8 R27.1 | length 87.2
  Top Layer w7.87: IC11.8@2716.54,206.69 2716.54,179.13 2719.6,176.07 2719.6,164.17 C95.2@2726.49,157.28 2726.83,156.94 2726.83,124.26 R27.1@2727.16,123.92
NetD6_1: D6.1 D7.3 | length 2266.1
  Mid Layer 1 w5.91: v1(2033.46,-351.38) 2100.39,-351.38 2229.33,-222.44 2749.76,-222.44 2796.02,-268.7 3354.38,-268.7 3384.26,-238.83 3639.13,-238.83 v1(3720.47,-157.48)
  Bottom Layer w5.91: D6.1@1976.38,-635.23 1951.77,-610.62 1951.77,-428.15 2027.56,-352.36 2032.48,-352.36 v1(2033.46,-351.38) ; D7.3@3706.69,-33.46 3720.47,-47.24 v1(3720.47,-157.48)
NetD6_3: D6.3 IC4.5 | length 1032.3
  Top Layer w5.91: IC4.5@1377.57,-109.05 1415.76,-70.87 1648.21,-70.87 1664.03,-86.69 v1(1903.45,-86.69)
  Bottom Layer w5.91: v1(1903.45,-86.69) 1903.45,-89.88 1909.45,-95.88 D6.3@1909.45,-568.3
NetD7_1: D7.1 D8.3 | length 2347.9
  Top Layer w5.91: v1@2920.28,444.88 2971.46,393.7 3478.16,393.7 3504.74,367.13 v1(3576.77,367.13)
  Bottom Layer w5.91: D8.3@1976.38,568.31 2142.13,568.31 2202.76,628.94 2730.07,628.94 2861.22,497.78 2861.22,467.61 2883.95,444.88 2917.32,444.88 2917.75,444.45 2921.55,444.45 v1(2923.81,442.19) ; v1(3576.77,367.13) 3787.4,367.13 3837.6,316.93 3837.6,97.44 D7.1@3773.62,33.46
NetD8_1: D8.1 D9.3 | length 2146.7
  Bottom Layer w5.91: D9.3@230.31,33.46 193.31,70.47 193.31,316.74 223.11,346.54 543.39,346.54 786.46,589.61 1442.95,589.61 1488.58,635.24 D8.1@1909.45,635.24
NetD11_1: D11.1 J10.50 R25.1 | length 162.2
  Bottom Layer w11.81: J10.50@2230.6,-482.63 2263.99,-482.63 2297.24,-449.37 2297.24,-421.96 2309.67,-409.54 R25.1@2309.67,-402.63 ; R25.1@2310.81,-403.48 2311.03,-403.48 2330.12,-422.57 D11.1@2332.03,-420.66
NetFL3_4: FL3.4 IC9.11 L7.2 | length 100.2
  Top Layer w6.16: L7.2@3700.9,204.52 3726.53,204.52 IC9.11@3726.53,129.92
NetIC1_4: IC1.4 IC4.117 | length 1145.4
  Top Layer w5.91: IC1.4@685.55,275.59 689.98,275.59 691.95,277.56 691.95,299.59 820.46,428.1 1437.95,428.1 1502.1,492.26 1648.97,492.26 1672.42,468.81 1672.42,461.43 1697.72,436.13 IC4.117@1697.72,433.14
NetIC1_9: IC1.9 IC2.9 IC3.7 IC4.119 | length 3901.6
  Top Layer w5.91: IC3.7@98.72,297.67 98.72,325.94 130.06,357.28 326.55,357.28 ; IC1.9@593.98,255.91 579.12,255.91 552.39,229.18 390.9,229.18 326.55,293.53 326.55,357.28 ; v1(1102.36,454.72) 942.69,454.72 912.43,484.98 839.31,484.98 757.87,403.54 587.01,403.54 540.75,357.28 326.55,357.28 ; v1(1155.15,410.12) 1158.34,410.12 1162.95,405.51 1446.01,405.51 1514.19,473.7 1614.87,473.7 1642.81,445.76 1642.81,432.37 1994.95,80.22 v1(2155.89,80.22) ; v1(2681.01,5.92) 2682.63,5.92 2915.98,-227.43 2915.98,-284.74 2889.36,-311.37 2809.65,-311.37 2796.25,-324.77 2729.09,-324.77 IC2.9@2728.32,-325.54
  Mid Layer 2 w5.91: v1(2155.89,80.22) 2606.71,80.22 v1(2681.01,5.92)
  Bottom Layer w5.91: v1(1102.36,454.72) 1144.71,412.38 1152.89,412.38 v1(1155.15,410.12)
NetIC1_12: IC1.12 IC4.125 R1.1 | length 1185.6
  Top Layer w5.91: IC1.12@620.08,210.16 620.08,172.5 638.94,153.63 690.73,153.63 751.97,214.87 751.97,325.28 768.22,341.54 793.85,341.54 808.47,326.91 1373.17,326.91 1381.61,335.35 1436.4,335.35 1439.86,331.88 1460.99,331.88 1480.5,351.39 1556.75,351.39 IC4.125@1586.36,321.78
NetIC2_4: IC2.4 IC4.40 | length 846.7
  Top Layer w5.91: IC4.40@1961.52,-498.8 1989.58,-526.86 2022.13,-526.86 2056.56,-561.29 2491.33,-561.29 2525.59,-527.03 2525.59,-433.07 2613.43,-345.23 IC2.4@2637.76,-345.23
NetIC2_12: IC2.12 IC4.44 | length 866.8
  Top Layer w5.91: IC4.44@2017.2,-443.12 2054.39,-480.31 2264.84,-480.31 2354.41,-390.75 2422.42,-390.75 2598.6,-214.57 2686.02,-214.57 2702.62,-231.16 IC2.12@2702.62,-280.16
NetIC3_1: IC3.1 IC4.22 | length 1914.5
  Top Layer w5.91: IC3.1@167.61,209.09 167.83,208.87 218.93,208.87 v1(238.47,189.33) ; IC4.22@1614.2,-345.68 1614.2,-343.6 1688.48,-269.31 v1(1688.48,-267.22)
  Bottom Layer w5.91: v1(238.47,189.33) 238.82,189.33 371.06,57.09 371.06,-79.72 376.97,-85.63 ; 377.01,-85.63 386.81,-95.43 ; 386.81,-95.47 479.14,-187.8 919.79,-187.8 979.39,-247.4 1548.82,-247.4 1577.03,-275.61 1678.21,-275.61 1686.6,-267.22 v1(1688.48,-267.22)
NetIC3_2: IC3.2 IC4.18 | length 1767.3
  Top Layer w5.91: IC3.2@167.64,228.75 241.43,228.75 249.47,220.71 v1(252.67,220.71) ; IC4.18@1558.52,-290.01 1586.65,-261.88 1586.65,-246.3 v1(1588.79,-244.17)
  Bottom Layer w5.91: v1(252.67,220.71) 391.73,81.69 391.73,-72.83 470.57,-151.67 911.15,-151.67 987.08,-227.61 1574.58,-227.61 1588.79,-241.82 v1(1588.79,-244.17)
NetIC4_1: IC4.1
NetIC4_10: IC4.10 J10.23 | length 878.2
  Top Layer w5.91: IC4.10@1447.17,-178.65 1447.17,-177.74 1508.77,-116.14 1914.15,-116.14 2048.61,18.32 2163.01,18.32 v1(2192.91,48.23)
  Bottom Layer w5.91: v1(2192.91,48.23) 2193.23,48.55 2230.28,48.55 J10.23@2230.6,48.87
NetIC4_11: IC4.11 J10.25 | length 853.2
  Top Layer w5.91: IC4.11@1461.09,-192.57 1465.25,-192.57 1520.02,-137.8 1921.51,-137.8 2050.45,-8.86 2176.23,-8.86 v1(2192.81,7.72)
  Bottom Layer w5.91: v1(2192.81,7.72) 2193.7,8.61 2229.71,8.61 J10.25@2230.6,9.5
NetIC4_12: IC4.12 J10.27 | length 829
  Top Layer w5.91: IC4.12@1475.01,-206.49 1479.18,-206.49 1528.19,-157.48 1934.73,-157.48 2062.68,-29.53 2192.78,-29.53 v1(2193.05,-29.79)
  Bottom Layer w5.91: J10.27@2230.6,-29.87 J10.27@2230.6,-29.87 v1@2193.09,-29.83 ; v1(2193.05,-29.79) v1@2193.09,-29.83
NetIC4_23: IC4.23 Y1.1 | length 153
  Top Layer w7.87: Y1.1@1524.12,-444.87 1526.09,-444.87 1536.91,-434.05 1536.91,-410.64 1554.05,-393.5 1594.22,-393.5 IC4.23@1628.12,-359.6
NetIC4_24: IC4.24 Y1.3 | length 182.2
  Top Layer w7.87: Y1.3@1577.27,-486.21 1575.3,-486.21 1552.66,-463.58 1552.66,-426.85 1559.77,-419.74 1595.82,-419.74 IC4.24@1642.04,-373.52
NetIC4_28: IC4.28 J10.37 | length 678.6
  Top Layer w5.91: IC4.28@1697.72,-429.2 1700.62,-429.2 1975.92,-153.9 1986.35,-153.9 v1(1987.76,-152.49)
  Bottom Layer w5.91: v1(1987.76,-152.49) 1988.19,-152.05 2009.34,-152.05 2084.01,-226.72 J10.37@2230.6,-226.72
NetIC4_29: IC4.29 J10.38 | length 659.2
  Top Layer w5.91: IC4.29@1711.64,-443.12 1756.36,-398.4 1789.62,-398.4 2008.14,-179.88 v1(2008.14,-177.31)
  Bottom Layer w5.91: v1(2008.14,-177.31) 2077.24,-246.41 J10.38@2230.6,-246.41
NetIC4_34: IC4.34 J10.30 | length 665.6
  Top Layer w5.91: IC4.34@1781.23,-512.72 1920.28,-373.68 1920.28,-304.13 v1(2063.98,-160.43)
  Bottom Layer w5.91: v1(2063.98,-160.43) 2135.16,-89.25 2230.28,-89.25 J10.30@2230.6,-88.93
NetIC4_35: IC4.35 J10.32 | length 637.2
  Top Layer w5.91: IC4.35@1795.15,-526.64 1795.15,-522.46 1945.87,-371.75 1945.87,-313.56 v1(2080.99,-178.44)
  Bottom Layer w5.91: v1(2080.99,-178.44) 2131.13,-128.3 J10.32@2230.6,-128.3 J10.32@2230.76,-128.14
NetIC4_36: IC4.36 J10.34 | length 615.1
  Top Layer w5.91: IC4.36@1809.07,-540.55 1825.43,-524.2 1825.43,-520.02 1825.09,-519.69 1825.09,-514.79 1974.41,-365.48 1974.41,-315.92 2128.08,-162.25 v1@2154.27,-162.25
  Bottom Layer w5.91: v1(2154.59,-162.57) 2156.85,-164.83 2228.08,-164.83 J10.34@2230.76,-167.51
NetIC4_37: IC4.37 IC8.3 | length 1088.8
  Top Layer w5.91: IC4.37@1919.76,-540.55 1936.12,-556.91 1936.12,-580.8 1957.35,-602.04 2054.75,-602.04 2060,-607.28 2509.81,-607.28 v1(2524.42,-592.67)
  Bottom Layer w5.91: v1(2524.42,-592.67) 2537.35,-579.74 2537.35,-512.19 2537.3,-512.14 2537.3,-477.08 2537.35,-477.03 2537.35,-466.58 2652.3,-351.64 2786.55,-351.64 IC8.3@2792.32,-345.87
NetIC4_42: IC4.42 IC8.7 | length 704.5
  Top Layer w5.91: IC4.42@1989.36,-470.96 2016.2,-497.8 2036.6,-497.8 2056.02,-517.22 2278,-517.22 2372.98,-422.24 2440.94,-422.24 2531.91,-331.28 v1(2531.91,-330.51)
  Bottom Layer w5.91: IC8.7@2481.3,-295.87 2489.17,-295.87 2513.25,-319.94 2518.14,-319.94 2528.71,-330.51 v1(2531.91,-330.51)
NetIC4_45: IC4.45 J10.36 | length 393.8
  Top Layer w5.91: IC4.45@2031.12,-429.2 2003.94,-402.02 2003.94,-320.18 2114.13,-209.99 v1(2137.83,-209.99)
  Bottom Layer w5.91: v1(2137.83,-209.99) 2139.3,-208.51 2229.12,-208.51 J10.36@2230.6,-207.04
NetIC4_46: IC4.46 IC8.2 | length 852.3
  Top Layer w5.91: IC4.46@2045.04,-415.28 2047.67,-415.28 2083.9,-451.5 2170.34,-451.5 2273.41,-348.43 2419.16,-348.43 v1(2444.14,-323.45)
  Bottom Layer w5.91: v1(2444.14,-323.45) 2494.22,-323.45 2525.1,-354.33 2622.05,-354.33 2680.51,-295.87 IC8.2@2792.32,-295.87
NetIC4_47: IC4.47 IC8.5 | length 539.3
  Top Layer w5.91: IC4.47@2058.96,-401.36 2058.96,-402.13 2090.83,-434 v1(2090.83,-434.77)
  Bottom Layer w5.91: v1(2090.83,-434.77) 2090.83,-437.97 2095.1,-442.24 2095.1,-443.74 2186.78,-535.43 2283.09,-535.43 2422.66,-395.87 IC8.5@2481.3,-395.87